# Allegro board RK_NVR_DEMO1_RK3588_LP4XD200P232SD8_V21_20211228_final_lint.brd (continued)
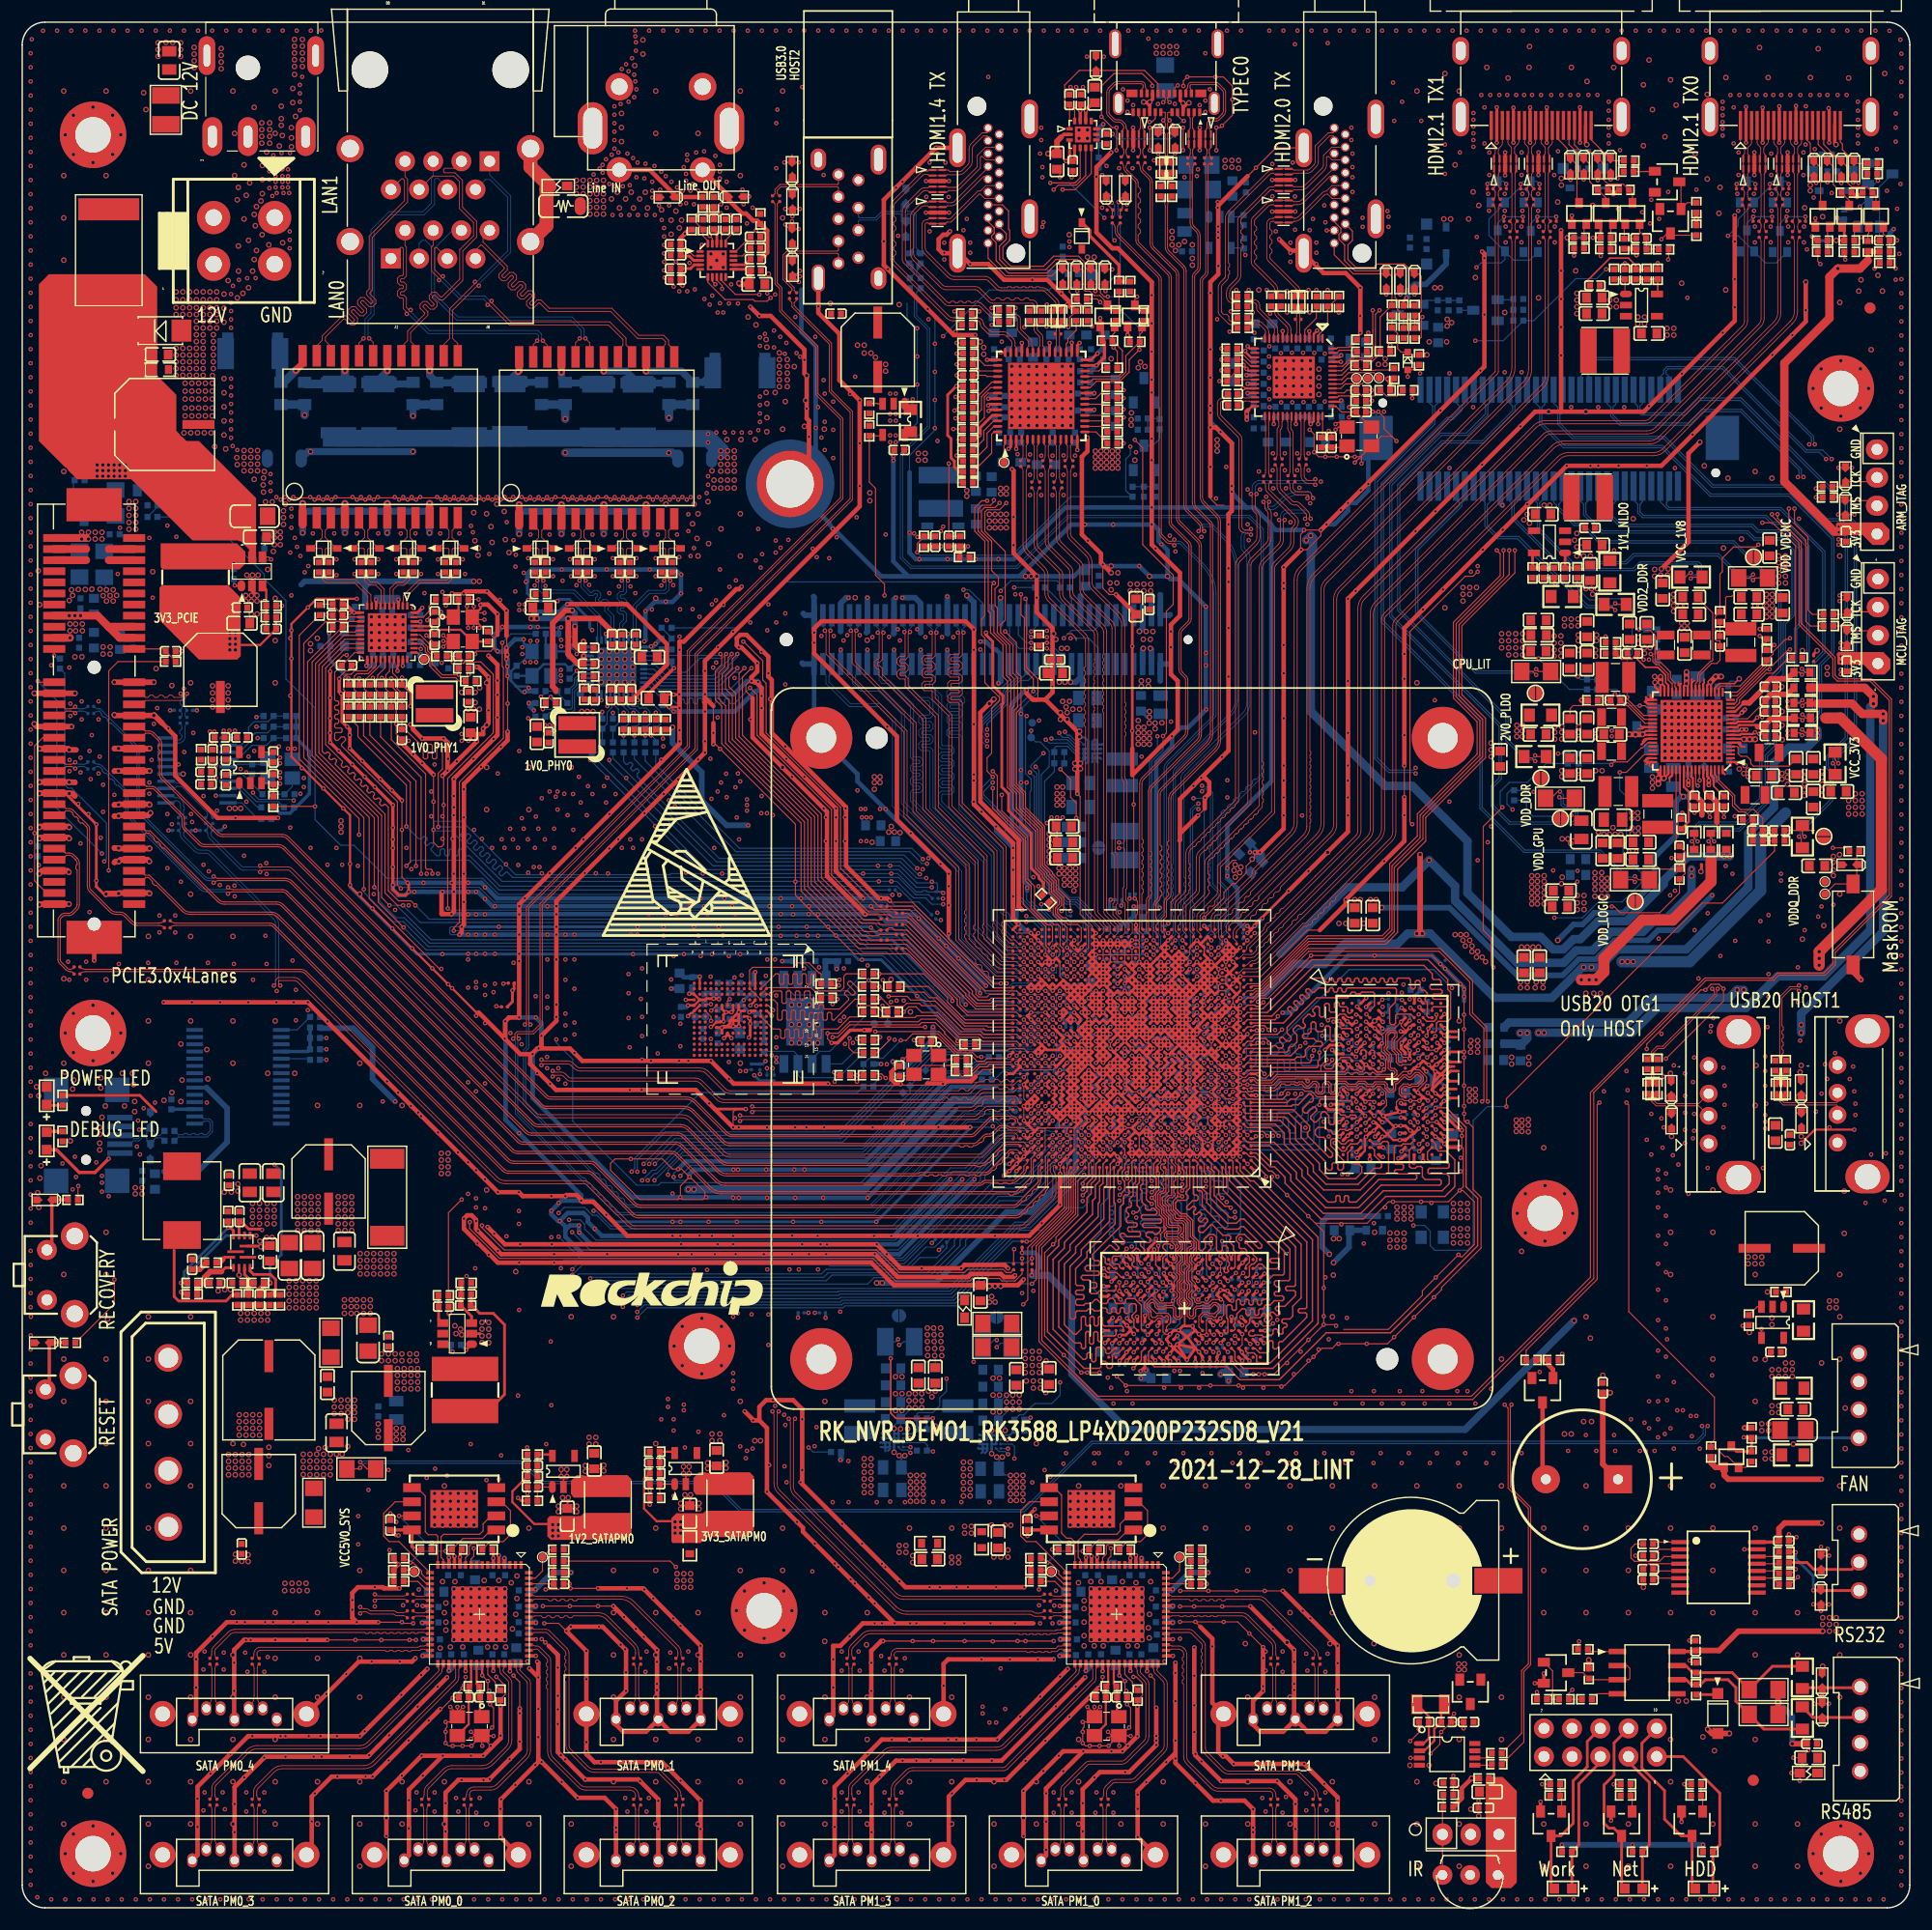
[diagram p0: board, top side]
## Nets (continued)
VCC5V_HDMI_TX2: C5102.1 D5100.2(K) J5100.18(+5V) R5120.2
VCC5V_HDMI_TX3: C5502.1 D5500.2(K) J5500.18(+5V) R5540.2
VCC12V_DCIN: C2000.1 C2001.1 C2007.1 C2009.1 C2010.1 C2027.1 C2028.1 C4702.1 C4703.1 C8429.1 C8430.1 C8432.1 C8433.1 D2000.2(K) F2000.2 Q8400.2(SOURCE) R2002.1 R2003.1 R2004.1 R8428.1 R9901.1 U2000.1(VIN) U2002.5(VIN) U4700.80(12V) U8402.5(VIN)
VCC12V_PCIE30: C8409.1 C8410.1 C8431.1 J8400.A2(+12V_4) J8400.A3(+12V_5) J8400.B1(+12V_1) J8400.B2(+12V_2) J8400.B3(+12V_3) Q8400.3(DRAIN)
VCC12VDC: F2000.1 J2000.1 J2001.3(12V_1) J2001.4(12V_2) R2000.1
VCC_1V1_NLDO: C2024.1 C2167.1 C2171.1 R2010.2 R2014.2 U2100.9(VCC14) U2100.13(VCC13)
VCC_1V1_NLDO_P: C2021.1 C2022.1 C2023.1 L2001.2 R2010.1 R2012.1
VCC_1V8: C1107.1 C1112.1 C1300.1 C1301.1 C1505.1 C1506.1 C1902.1 C1903.1 C2149.1 C3843.1 C4000.1 C4001.1 C4002.1 C4003.1 C4004.1 C4300.1 C4301.1 C4704.1 C4705.1 C7006.1 C7007.1 J9800.40(CH13-) R1500.1 R1501.1 R1913.1 R1914.1 R1915.1 R1916.1 R2130.1 R2137.1 R2138.1 R3803.2 R4000.1 R4001.1 R4002.1 R4300.1 R4301.1 R5000.1 R5005.1 R5014.1 R5017.1 R5135.1 R6730.1 R7002.1 U1000.AA7(VCCIO2_1V8) U1000.AC25(VCCIO6_1V8) U1000.G20(VCCIO1_1V8) U1000.H20(VCCIO4_1V8) U1000.H21(VCCIO4) U1000.N28(PMUIO1_1V8) U1000.R27(PMUIO2_1V8) U1000.V26(EMMCIO_1V8) U1000.W25(VCCIO5_1V8) U1000.Y26(VCCIO3_1V8) U4000.C6(VCCQ1) U4000.M4(VCCQ2) U4000.N4(VCCQ3) U4000.P3(VCCQ4) U4000.P5(VCCQ5) U4300.8(VCC) U4700.61(1.8V) U7000.3(PVDD)
VCC_1V8_P: C2150.1 C2151.1 J9800.38(CH13+) L2108.1 R2130.2 U2100.25(VOUT10)
VCC_2V0_PLDO: C2154.1 C2156.1 R2014.1 R2131.2 U2100.59(VCC11)
VCC_2V0_PLDO_P: C2152.1 C2153.1 L2109.2 R2131.1 U2100.41(VOUT7)
VCC_3V3: BP7000.1(BP) C1113.1 C1302.1 C1421.1 C1901.1 C1905.1 C2140.1 C2519.1 C4005.1 C4006.1 C4007.1 C4706.1 C4707.1 C5107.1 C5108.1 C5503.1 C5504.1 C7012.1 C9105.1 C9106.1 C9500.1 C9505.1 D2200.2(A2) D9502.1(A) J9101.4 J9102.4 J9800.11(CH2-) Q5000.1(GATE) Q5003.1(GATE) Q5100.2(SOURCE) Q5500.2(SOURCE) Q9501.1(GATE) R1111.1 R1112.1 R1115.1 R1116.1 R1117.1 R1118.1 R2127.1 R2204.1 R2500.2 R5002.1 R5006.1 R5009.1 R5012.1 R5018.1 R5021.1 R5025.1 R5026.1 R5126.1 R5545.1 R6733.1 R6830.1 R6833.1 R8211.1 R9000.1 R9002.1 R9003.1 R9004.1 R9005.1 R9102.1 R9500.1 R9904.1 U1000.AC26(VCCIO6) U1000.AJ10(USB20_AVDD_3V3) U1000.P28(PMUIO2) U1000.W26(VCCIO5) U1000.Y7(VCCIO2) U2503.3(VDD_3) U2503.4(VDD_4) U4000.E6(VCC1) U4000.F5(VCC2) U4000.J10(VCC3) U4000.K9(VCC4) U4700.62(3.3V) U9500.8(VCC) U9501.16(VCC)
VCC_3V3_P: C2141.1 C2142.1 J9800.9(CH2+) L2106.1 R2127.2 U2100.5(VOUT8)
VCC_OVDD33: C5109.1 C5112.1 C5113.1 FB5100.1 FB5101.1 Q5100.3(DRAIN) R5121.1 R5136.2 R5138.2 U5100.20(OVDD33_20) U5100.23(OVDD33_23) U5100.53(OVDD33_53)
VCC_OVDD33_6161: C5505.1 C5506.1 C5507.1 C5510.1 C5511.1 FB5500.1 Q5500.3(DRAIN) Q5501.1(GATE) Q5502.1(GATE) R5504.2 R5509.2 R5542.1 R5547.1 R5556.2 U5500.19(OVDD1833_19) U5500.27(OVDD33_27) U5500.50(OVDD1833_50)
VCC_RTC: C2228.1 D2200.3(K) U2203.8(VDD)
VCCA1V2_IMAGE: C1608.1 C1609.1 C2159.1 U1000.AH19(MIPI_D/C_PHY1_VDD_1V2) U2100.57(PLDO3)
VCCA1V8_IMAGE: C1602.1 C1603.1 C1610.1 C1611.1 C1713.1 C1714.1 C1715.1 C1729.1 C1730.1 C1731.1 J9800.30(CH9-) R2133.2 U1000.AA26(MIPI_CSI1_AVCC1V8) U1000.AB26(MIPI_CSI0_AVCC1V8) U1000.AC6(HDMI/EDP_TX0_VDD_CMN_1V8) U1000.AC7(HDMI/EDP_TX0_VDD_IO_1V8) U1000.AD6(HDMI/EDP_TX1_VDD_CMN_1V8) U1000.AD7(HDMI/EDP_TX1_VDD_IO_1V8) U1000.AJ19(MIPI_D/C_PHY1_VDD_1V8)
VCCA1V8_IMAGE_P: C2157.1 J9800.28(CH9+) R2133.1 U2100.58(PLDO2)
VCCA1V8_PLDO6: C2158.1 R3800.2 U2100.20(VCCIO)
VCCA3V3_PI6C_05: C8423.1 C8424.1 R8422.2 U8400.15(VDDODA)
VCCA_1V8: C1103.1 C1104.1 C1109.1 C1214.1 C1217.1 C1406.1 C1407.1 C1417.1 C1418.1 C1422.1 C1423.1 C1503.1 C1803.1 C1806.1 C1807.1 C1810.1 C1814.1 C1815.1 C1819.1 J9800.24(CH7-) R1502.1 R1503.1 R2132.2 R9300.1 U1000.AG11(USB20_AVDD_1V8) U1000.AG13(TYPEC1_DP1_VDDH_1V8) U1000.AG14(TYPEC0_DP0_VDDH_1V8) U1000.AH18(SARADC_AVDD_1V8) U1000.G23(PCIE30_PORT0_AVDD1V8) U1000.H23(PCIE30_PORT1_AVDD1V8) U1000.K16(DDR_CH1_PLL_AVDD1V8) U1000.K27(PCIE20_SATA30_USB30_2_AVDD_1V8) U1000.L27(PCIE20_SATA30_1_AVDD_1V8) U1000.M12(DDR_CH0_PLL_AVDD1V8) U1000.M27(PCIE20_SATA30_0_AVDD_1V8) U1000.N27(OSC_1V8) U1000.U18(PLL_AVDD1V8)
VCCA_1V8_P: C2155.1 J9800.22(CH7+) R2132.1 U2100.60(PLDO1)
VCCA_3V3: C7008.1 C7009.1 C7010.1 C7011.1 R2135.2 U7000.4(DVDD) U7000.11(AVDD)
VCCA_3V3_P: C2160.1 R2135.1 U2100.63(PLDO4)
VCCA_ASPVCC33: C5115.1 C5116.1 C5117.1 C5118.1 FB5101.2 U5100.24(RXPVCC33) U5100.39(RXAVDD33) U5100.40(ASPVCC33)
VCCA_PVCC33_6161: C5508.1 C5509.1 FB5500.2 U5500.30(PVCC33_30)
VCCA_TPVCC33: C5110.1 C5111.1 FB5100.2 U5100.3(TPVCC33)
VCCIO_PHY0: C6709.1 C6710.1 C6711.1 R6723.1 R6727.1 R6729.1 R6730.2 R6732.1 R6735.1 U6701.28(DVDD_RG)
VCCIO_PHY1: C6808.1 C6809.1 C6810.1 R6822.1 R6824.1 R6827.1 R6829.1 R6830.2 R6832.1 R6835.1 U6801.28(DVDD_RG)
VCCIO_SD_P: C2163.1 U2100.65(PLDO5)
VDD1_1V8_DDR: C3800.1 C3801.1 C3802.1 C3803.1 C3804.1 C3805.1 C3806.1 C3807.1 C3808.1 C3845.1 C3846.1 C3847.1 C3848.1 C3849.1 C3850.1 C3851.1 C3852.1 C3853.1 R3800.1 R3803.1 U3800.F1(VDD1_1) U3800.F12(VDD1_2) U3800.G4(VDD1_3) U3800.G9(VDD1_4) U3800.T4(VDD1_5) U3800.T9(VDD1_6) U3800.U1(VDD1_7) U3800.U12(VDD1_8) U3801.F1(VDD1_1) U3801.F12(VDD1_2) U3801.G4(VDD1_3) U3801.G9(VDD1_4) U3801.T4(VDD1_5) U3801.T9(VDD1_6) U3801.U1(VDD1_7) U3801.U12(VDD1_8)
VDD1V2_SATAPM0: C8243.1 C8244.1 C8245.1 C8246.1 C8247.1 C8248.1 C8249.1 C8250.1 C8251.1 C8252.1 C8253.1 C8254.1 L8201.2 R8216.1 R8312.1 U8200.4(DV12_1) U8200.14(DV12_2) U8200.23(AV12_5) U8200.29(AV12_4) U8200.35(AV12_3) U8200.46(AV12_0) U8200.52(AV12_2) U8200.58(AV12_1)
VDD1V2_SATAPM1: C8339.1 C8340.1 C8341.1 C8342.1 C8343.1 C8344.1 C8345.1 C8346.1 C8347.1 C8348.1 C8349.1 R8312.2 U8300.4(DV12_1) U8300.14(DV12_2) U8300.23(AV12_5) U8300.29(AV12_4) U8300.35(AV12_3) U8300.46(AV12_0) U8300.52(AV12_2) U8300.58(AV12_1)
VDD2_DDR: C2100.1 C3809.1 C3810.1 C3811.1 C3812.1 C3813.1 C3814.1 C3815.1 C3816.1 C3817.1 C3818.1 C3819.1 C3820.1 C3821.1 C3822.1 C3823.1 C3854.1 C3855.1 C3856.1 C3857.1 C3858.1 C3859.1 C3860.1 C3861.1 C3862.1 C3863.1 C3864.1 C3865.1 C3866.1 C3867.1 C3868.1 J9800.46(CH15-) R1205.2 R2102.1 R3806.1 R3807.2 R3811.2 R3816.1 R3817.2 U3800.A4(VDD2_1) U3800.A9(VDD2_2) U3800.AB4(VDD2_23) U3800.AB9(VDD2_24) U3800.F5(VDD2_3) U3800.F8(VDD2_4) U3800.H1(VDD2_5) U3800.H5(VDD2_6) U3800.H8(VDD2_7) U3800.H12(VDD2_8) U3800.K1(VDD2_9) U3800.K3(VDD2_10) U3800.K10(VDD2_11) U3800.K12(VDD2_12) U3800.N1(VDD2_13) U3800.N3(VDD2_14) U3800.N10(VDD2_15) U3800.N12(VDD2_16) U3800.R1(VDD2_17) U3800.R5(VDD2_18) U3800.R8(VDD2_19) U3800.R12(VDD2_20) U3800.U5(VDD2_21) U3800.U8(VDD2_22) U3801.A4(VDD2_1) U3801.A9(VDD2_2) U3801.AB4(VDD2_23) U3801.AB9(VDD2_24) U3801.F5(VDD2_3) U3801.F8(VDD2_4) U3801.H1(VDD2_5) U3801.H5(VDD2_6) U3801.H8(VDD2_7) U3801.H12(VDD2_8) U3801.K1(VDD2_9) U3801.K3(VDD2_10) U3801.K10(VDD2_11) U3801.K12(VDD2_12) U3801.N1(VDD2_13) U3801.N3(VDD2_14) U3801.N10(VDD2_15) U3801.N12(VDD2_16) U3801.R1(VDD2_17) U3801.R5(VDD2_18) U3801.R8(VDD2_19) U3801.R12(VDD2_20) U3801.U5(VDD2_21) U3801.U8(VDD2_22)
VDD2_DDR_CKE: C1216.1 C1219.1 R1205.1 U1000.H13(DDR_CH1_VDDQ_CKE) U1000.N8(DDR_CH0_VDDQ_CKE)
VDD2_DDR_P: C2101.1 C2106.1 C2107.1 J9800.44(CH15+) L2100.1 R2102.2 R2103.1 U2100.30(VOUT6)
VDD10_PHY0: C6715.1 C6716.1 C6717.1 C6721.1 C6722.1 C6723.1 L6700.2 U6701.3(AVDD10#3) U6701.8(AVDD10#8) U6701.21(DVDD10) U6701.38(AVDD10#38)
VDD10_PHY1: C6814.1 C6815.1 C6816.1 C6820.1 C6821.1 C6822.1 L6800.2 U6801.3(AVDD10#3) U6801.8(AVDD10#8) U6801.21(DVDD10) U6801.38(AVDD10#38)
VDD_ASPVCC10: C5127.1 C5128.1 C5129.1 C5130.1 C5131.1 C5132.1 C5133.1 FB5102.2 U5100.25(RXPVCC10) U5100.31(RXAVDD10_31) U5100.36(RXAVDD10_36) U5100.41(ASPVCC10)
VDD_AVCC12_6161: C5513.1 C5514.1 FB5501.2 U5500.34(AVCC12_34)
VDD_CPU_BIG0: C1010.1 C1013.1 C1014.1 C1015.1 C1016.1 C1017.1 C1018.1 C1019.1 C1022.1 C1023.1 C1080.1 C2204.2 C2209.1 J2200.2 J9800.17(CH4-) R2200.2 R2202.2 R2220.1 R2221.1 U1000.M16(VDD_CPU_BIG0_0) U1000.M17(VDD_CPU_BIG0_9) U1000.M19(VDD_CPU_BIG0_MEM_0) U1000.N16(VDD_CPU_BIG0_1) U1000.N17(VDD_CPU_BIG0_8) U1000.N19(VDD_CPU_BIG0_MEM_1) U1000.P16(VDD_CPU_BIG0_2) U1000.P17(VDD_CPU_BIG0_7) U1000.R16(VDD_CPU_BIG0_3) U1000.R17(VDD_CPU_BIG0_6) U1000.T16(VDD_CPU_BIG0_4) U1000.T17(VDD_CPU_BIG0_5) U2200.A4(VOUT)
VDD_CPU_BIG0_P: C2204.1 C2205.1 C2206.1 C2207.1 C2208.1 J2200.1 J9800.15(CH4+) L2200.2 R2200.1 R2202.1
VDD_CPU_BIG1: C1024.1 C1025.1 C1027.1 C1028.1 C1029.1 C1030.1 C1031.1 C1032.1 C1033.1 C1081.1 C2210.2 C2215.1 FB2201.1 J2202.2 J9800.23(CH6-) R2201.2 R2203.2 R2220.2 R2221.2 U1000.K23(VDD_CPU_BIG1_9) U1000.K24(VDD_CPU_BIG1_0) U1000.L23(VDD_CPU_BIG1_8) U1000.L24(VDD_CPU_BIG1_1) U1000.M23(VDD_CPU_BIG1_7) U1000.M24(VDD_CPU_BIG1_2) U1000.N23(VDD_CPU_BIG1_6) U1000.N24(VDD_CPU_BIG1_3) U1000.P23(VDD_CPU_BIG1_5) U1000.P24(VDD_CPU_BIG1_4) U2201.A4(VOUT)
VDD_CPU_BIG1_MEM: C1051.1 C1083.1 C2230.1 FB2201.2 U1000.M21(VDD_CPU_BIG1_MEM_0) U1000.N21(VDD_CPU_BIG1_MEM_1)
VDD_CPU_BIG1_P: C2210.1 C2211.1 C2212.1 C2213.1 C2214.1 J2202.1 J9800.21(CH6+) L2201.2 R2201.1 R2203.1
VDD_CPU_LIT: C1054.1 C1057.1 C1058.1 C1059.1 C1060.1 C1061.1 C1070.1 C1071.1 C1082.1 C2119.2 C2122.1 C2123.1 J2103.2 J9800.52(CH17-) R2112.2 R2114.2 U1000.T21(VDD_CPU_LIT_MEM_1) U1000.T22(VDD_CPU_LIT_MEM_0) U1000.U21(VDD_CPU_LIT_7) U1000.U22(VDD_CPU_LIT_0) U1000.V21(VDD_CPU_LIT_6) U1000.V22(VDD_CPU_LIT_1) U1000.W21(VDD_CPU_LIT_5) U1000.W22(VDD_CPU_LIT_2) U1000.Y21(VDD_CPU_LIT_4) U1000.Y22(VDD_CPU_LIT_3) U2100.37(VOUT2)
VDD_CPU_LIT_P: C2119.1 C2120.1 C2121.1 J2103.1 J9800.50(CH17+) L2103.2 R2112.1 R2114.1
VDD_DDR: C1220.1 C1221.1 C1223.1 C1224.1 C1225.1 C1226.1 C1227.1 C1228.1 C1229.1 C1231.1 C2115.1 C2118.2 J2100.1 J9800.39(CH12-) R2111.1 R2113.2 U1000.L11(DDR_CH1_VDD_0) U1000.L12(DDR_CH1_VDD_1) U1000.L13(DDR_CH1_VDD_2) U1000.L14(DDR_CH1_VDD_3) U1000.L17(DDR_CH1_VDD_MIF_0) U1000.L18(DDR_CH1_VDD_MIF_1) U1000.N13(DDR_CH0_VDD_MIF_0) U1000.P12(DDR_CH0_VDD_3) U1000.P13(DDR_CH0_VDD_MIF_1) U1000.R12(DDR_CH0_VDD_2) U1000.T12(DDR_CH0_VDD_1) U1000.U11(DDR_CH0_VDD_0) U2100.46(VOUT5)
VDD_DDR_P: C2116.1 C2117.1 C2118.1 J2100.2 J9800.37(CH12+) L2102.1 R2111.2 R2113.1
VDD_GPU: C1000.1 C1001.1 C1002.1 C1003.1 C1004.1 C1005.1 C1006.1 C1007.1 C1020.1 C1085.1 C2102.1 C2108.2 C2111.1 J2102.2 J9800.45(CH14-) R2100.2 R2104.2 U1000.AA12(VDD_GPU_MEM_0) U1000.AA13(VDD_GPU_0) U1000.AA14(VDD_GPU_7) U1000.AA15(VDD_GPU_11) U1000.AB12(VDD_GPU_MEM_1) U1000.AB13(VDD_GPU_1) U1000.AB14(VDD_GPU_6) U1000.AB15(VDD_GPU_10) U1000.AC13(VDD_GPU_2) U1000.AC14(VDD_GPU_5) U1000.AC15(VDD_GPU_9) U1000.AD13(VDD_GPU_3) U1000.AD14(VDD_GPU_4) U1000.AD15(VDD_GPU_8) U2100.49(VOUT1)
VDD_GPU_P: C2108.1 C2109.1 C2110.1 J2102.1 J9800.43(CH14+) L2101.2 R2100.1 R2104.1
VDD_IVDD10: C5120.1 C5121.1 C5122.1 C5123.1 C5124.1 C5125.1 C5126.1 C5135.1 C5136.1 C5137.1 C5138.1 FB5102.1 FB5103.1 L5101.2 R5132.1 U5100.15(TDVDD10) U5100.17(IVDD10_17) U5100.21(IVDD10_21) U5100.28(RXDVDD10) U5100.44(IVDD10) U5100.54(IVDD10_54)
VDD_IVDD12_6161: C5515.1 C5521.1 C5522.1 C5523.1 C5524.1 C5525.1 C5526.1 C5527.1 FB5501.1 FB5502.1 FB5503.1 FB5504.1 FB5505.1 L5501.2 R5553.1 U5500.22(IVDD12_22) U5500.28(IVDD12_28) U5500.42(IVDD12_42) U5500.43(IVDD12_43) U5500.51(IVDD12_51) U5500.52(IVDD12_52)
VDD_LOGIC: C1034.1 C1035.1 C1036.1 C1037.1 C1038.1 C1039.1 C1040.1 C1041.1 C1042.1 C2132.2 C2135.1 C2136.1 J2104.2 J9800.51(CH16-) R2122.2 R2124.2 U1000.AC17(VDD_LOGIC_5) U1000.AC18(VDD_LOGIC_4) U1000.AC19(VDD_LOGIC_3) U1000.AD17(VDD_LOGIC_0) U1000.AD18(VDD_LOGIC_1) U1000.AD19(VDD_LOGIC_2) U1000.K19(VDD_LOGIC_8) U1000.K20(VDD_LOGIC_9) U1000.V16(VDD_LOGIC_6) U1000.V17(VDD_LOGIC_7) U2100.56(VOUT3)
VDD_LOGIC_P: C2132.1 C2133.1 C2134.1 J2104.1 J9800.49(CH16+) L2105.2 R2122.1 R2124.1
VDD_NPU: C1062.1 C1063.1 C1064.1 C1065.1 C1066.1 C1069.1 C1072.1 C1073.1 C1086.1 C2220.2 C2225.1 J2203.2 J9800.57(CH18-) R2206.2 R2207.2 U1000.AB21(VDD_NPU_6) U1000.AB22(VDD_NPU_5) U1000.AB23(VDD_NPU_2) U1000.AC22(VDD_NPU_4) U1000.AC23(VDD_NPU_1) U1000.AD22(VDD_NPU_3) U1000.AD23(VDD_NPU_0) U1000.AE22(VDD_NPU_MEM_0) U1000.AE23(VDD_NPU_MEM_1) U2202.A4(VOUT)
VDD_NPU_P: C2220.1 C2221.1 C2222.1 C2223.1 C2224.1 J2203.1 J9800.55(CH18+) L2202.2 R2206.1 R2207.1
VDD_NVDD12_6161: C5528.1 C5529.1 C5530.1 FB5504.2 U5500.3(NVDD12_3) U5500.14(NVDD12_14)
VDD_PVCC12_6161: C5516.1 C5517.1 FB5502.2 U5500.29(PVCC12_29)
VDD_RDVDD12_6161: C5532.1 C5533.1 FB5505.2 U5500.2(RDVDD12)
VDD_TAVCC10: C5139.1 C5140.1 C5141.1 C5142.1 FB5103.2 U5100.4(TPVCC10) U5100.10(TAVCC10)
VDD_TDVDD12_6161: C5518.1 C5519.1 FB5503.2 U5500.39(TDVDD12_39)
VDD_VDENC: C1043.1 C1045.1 C1046.1 C1047.1 C1048.1 C1049.1 C1050.1 C1052.1 C2143.2 C2146.1 C2173.1 J2105.2 J9800.34(CH11-) R2128.2 R2129.2 U1000.R14(VDD_VDENC_0) U1000.T14(VDD_VDENC_1) U1000.U14(VDD_VDENC_2) U1000.V12(VDD_VDENC_MEM_0) U1000.V13(VDD_VDENC_MEM_1) U1000.V14(VDD_VDENC_3) U1000.W13(VDD_VDENC_5) U1000.W14(VDD_VDENC_4) U2100.24(VOUT4)
VDD_VDENC_P: C2143.1 C2144.1 C2145.1 J2105.1 J9800.32(CH11+) L2107.2 R2128.1 R2129.1
VDDA0V75_IMAGE: C1709.1 C1710.1 C1711.1 C1724.1 C1725.1 C1726.1 C1727.1 J9800.18(CH5-) R2142.2 U1000.AA9(HDMI/EDP_TX0_VDD_0V75) U1000.AB9(HDMI/EDP_TX0_AVDD_0V75) U1000.AC9(HDMI/EDP_TX1_AVDD_0V75) U1000.AD9(HDMI/EDP_TX1_VDD_0V75)
VDDA0V75_IMAGE_P: C2169.1 J9800.16(CH5+) R2142.1 U2100.11(NLDO3)
VDDA_0V75: C1412.1 C1504.1 C1600.1 C1601.1 C1604.1 C1606.1 C1607.1 C1804.1 C1805.1 C1812.1 C1813.1 J9800.33(CH10-) R2144.2 U1000.AA25(MIPI_CSI1_AVCC0V75) U1000.AB25(MIPI_CSI0_AVCC0V75) U1000.AD3(OTP_VDDOTP_0V75) U1000.AG19(MIPI_D/C_PHY1_VDD) U1000.AH10(USB20_DVDD_0V75) U1000.G24(PCIE30_PORT0_AVDD0V75) U1000.H24(PCIE30_PORT1_AVDD0V75)
VDDA_0V75_P: C2172.1 J9800.31(CH10+) R2144.1 U2100.8(NLDO5)
VDDA_0V75_PMU: C1105.1 C1106.1 C1110.1 C1111.1 J9800.12(CH3-) R2139.2 U1000.P27(PMU_0V75) U1000.V20(PLL_DVDD0V75)
VDDA_0V75_PMU_P: C2164.1 J9800.10(CH3+) R2139.1 U2100.14(NLDO1)
VDDA_0V85: C1404.1 C1405.1 C1419.1 C1420.1 C1801.1 C1808.1 C1816.1 J9800.6(CH1-) R2143.2 U1000.AH13(TYPEC1_DP1_VDD_0V85) U1000.AH14(TYPEC0_DP0_VDDA_0V85) U1000.AJ13(TYPEC1_DP1_VDDA_0V85) U1000.AJ14(TYPEC0_DP0_VDD_0V85) U1000.K28(PCIE20_SATA30_USB30_2_AVDD_0V85) U1000.L28(PCIE20_SATA30_1_AVDD_0V85) U1000.M28(PCIE20_SATA30_0_AVDD_0V85)
VDDA_0V85_P: C2170.1 J9800.4(CH1+) R2143.1 U2100.10(NLDO4)
VDDA_DDR_PLL: C1215.1 C1218.1 R2141.2 U1000.L15(DDR_CH1_PLL_DVDD) U1000.N12(DDR_CH0_PLL_DVDD)
VDDA_DDR_PLL_P: C2168.1 R2141.1 U2100.12(NLDO2)
VDDQ_DDR: C1200.1 C1201.1 C1202.1 C1203.1 C1204.1 C1205.1 C1207.1 C1208.1 C1209.1 C1210.1 C1211.1 C1212.1 C2128.1 C2131.2 C2137.1 J2101.1 J9800.29(CH8-) R1200.1 R1201.2 R1202.1 R1203.2 R1204.2 R2121.1 R2123.2 R2125.1 R3808.2 U1000.K11(DDR_CH1_VDDQ_0) U1000.K12(DDR_CH1_VDDQ_1) U1000.K13(DDR_CH1_VDDQ_2) U1000.K14(DDR_CH1_VDDQ_3) U1000.K15(DDR_CH1_VDDQ_4) U1000.M10(DDR_CH0_VDDQ_0) U1000.N10(DDR_CH0_VDDQ_1) U1000.P10(DDR_CH0_VDDQ_2) U1000.R10(DDR_CH0_VDDQ_3) U1000.T10(DDR_CH0_VDDQ_4) U2100.67(VOUT9)
VDDQ_DDR_CK: C1206.1 C1213.1 C1232.1 R1204.1 U1000.L10(DDR_CH0_VDDQ_CK) U1000.M13(DDR_CH1_VDDQ_CK)
VDDQ_DDR_P: C2129.1 C2130.1 C2131.1 J2101.2 J9800.27(CH8+) L2104.1 R2121.2 R2123.1
VDDQ_DRAM: C3824.1 C3825.1 C3826.1 C3827.1 C3828.1 C3829.1 C3830.1 C3831.1 C3832.1 C3833.1 C3834.1 C3835.1 C3836.1 C3837.1 C3838.1 C3839.1 C3840.1 C3841.1 C3842.1 C3869.1 C3870.1 C3871.1 C3872.1 C3873.1 C3874.1 C3875.1 C3876.1 C3877.1 C3878.1 C3879.1 C3880.1 C3881.1 C3882.1 C3883.1 C3884.1 C3885.1 C3886.1 C3887.1 R3808.1 R3809.1 R3810.1 R3811.1 R3818.1 R3819.1 U3800.AA3(VDDQ_17) U3800.AA5(VDDQ_18) U3800.AA8(VDDQ_19) U3800.AA10(VDDQ_20) U3800.B3(VDDQ_1) U3800.B5(VDDQ_2) U3800.B8(VDDQ_3) U3800.B10(VDDQ_4) U3800.D1(VDDQ_5) U3800.D5(VDDQ_6) U3800.D8(VDDQ_7) U3800.D12(VDDQ_8) U3800.F3(VDDQ_9) U3800.F10(VDDQ_10) U3800.U3(VDDQ_11) U3800.U10(VDDQ_12) U3800.W1(VDDQ_13) U3800.W5(VDDQ_14) U3800.W8(VDDQ_15) U3800.W12(VDDQ_16) U3801.AA3(VDDQ_17) U3801.AA5(VDDQ_18) U3801.AA8(VDDQ_19) U3801.AA10(VDDQ_20) U3801.B3(VDDQ_1) U3801.B5(VDDQ_2) U3801.B8(VDDQ_3) U3801.B10(VDDQ_4) U3801.D1(VDDQ_5) U3801.D5(VDDQ_6) U3801.D8(VDDQ_7) U3801.D12(VDDQ_8) U3801.F3(VDDQ_9) U3801.F10(VDDQ_10) U3801.U3(VDDQ_11) U3801.U10(VDDQ_12) U3801.W1(VDDQ_13) U3801.W5(VDDQ_14) U3801.W8(VDDQ_15) U3801.W12(VDDQ_16)
BIG/NPU_EN: R2204.2 R2205.1 U2200.A2(EN) U2201.A2(EN) U2202.A2(EN)
BOOT_CONFIG: C1500.1 R1503.2 R1510.1 R1514.1 U1000.AM16(SARADC_IN0_BOOT)
CKDN: R5525.2 U5500.8(CKDN)
CKDP: R5526.2 U5500.9(CKDP)
DDR_CH0_A0_A: U1000.T7(DDR_CH0_A0_A) U3800.H2(CA0_A)
DDR_CH0_A0_B: U1000.M8(DDR_CH0_A0_B) U3800.R2(CA0_B)
DDR_CH0_A1_A: U1000.T8(DDR_CH0_A1_A) U3800.J2(CA1_A)
DDR_CH0_A1_B: U1000.M5(DDR_CH0_A1_B) U3800.P2(CA1_B)
DDR_CH0_A2_A: U1000.P4(DDR_CH0_A2_A) U3800.H9(CA2_A)
DDR_CH0_A2_B: U1000.N5(DDR_CH0_A2_B) U3800.R9(CA2_B)
DDR_CH0_A3_A: U1000.P5(DDR_CH0_A3_A) U3800.H10(CA3_A)
DDR_CH0_A3_B: U1000.N4(DDR_CH0_A3_B) U3800.R10(CA3_B)
DDR_CH0_A4_A: U1000.R1(DDR_CH0_A4_A) U3800.H11(CA4_A)
DDR_CH0_A4_B: U1000.K1(DDR_CH0_A4_B) U3800.R11(CA4_B)
DDR_CH0_A5_A: U1000.P2(DDR_CH0_A5_A) U3800.J11(CA5_A)
DDR_CH0_A5_B: U1000.L2(DDR_CH0_A5_B) U3800.P11(CA5_B)
DDR_CH0_CLKN_A: U1000.N1(DDR_CH0_CKB_A) U3800.J9(CK_C_A)
DDR_CH0_CLKN_B: U1000.M1(DDR_CH0_CKB_B) U3800.P9(CK_C_B)
DDR_CH0_CLKP_A: U1000.N2(DDR_CH0_CK_A) U3800.J8(CK_T_A)
DDR_CH0_CLKP_B: U1000.M2(DDR_CH0_CK_B) U3800.P8(CK_T_B)
DDR_CH0_DM0_A: U1000.Y4(DDR_CH0_DM0_A) U3800.C3(DMI0_A)
DDR_CH0_DM0_B: U1000.G4(DDR_CH0_DM0_B) U3800.Y3(DMI0_B)
DDR_CH0_DM1_A: U1000.AB4(DDR_CH0_DM1_A) U3800.C10(DMI1_A)
DDR_CH0_DM1_B: U1000.E4(DDR_CH0_DM1_B) U3800.Y10(DMI1_B)
DDR_CH0_DQ0_A: U1000.U1(DDR_CH0_DQ0_A) U3800.B2(DQ0_A)
DDR_CH0_DQ0_B: U1000.H1(DDR_CH0_DQ0_B) U3800.AA2(DQ0_B)
DDR_CH0_DQ1_A: U1000.T2(DDR_CH0_DQ1_A) U3800.C2(DQ1_A)
DDR_CH0_DQ1_B: U1000.J2(DDR_CH0_DQ1_B) U3800.Y2(DQ1_B)
DDR_CH0_DQ2_A: U1000.T1(DDR_CH0_DQ2_A) U3800.E2(DQ2_A)
DDR_CH0_DQ2_B: U1000.J1(DDR_CH0_DQ2_B) U3800.V2(DQ2_B)
DDR_CH0_DQ3_A: U1000.R2(DDR_CH0_DQ3_A) U3800.F2(DQ3_A)
DDR_CH0_DQ3_B: U1000.K2(DDR_CH0_DQ3_B) U3800.U2(DQ3_B)
DDR_CH0_DQ4_A: U1000.W1(DDR_CH0_DQ4_A) U3800.F4(DQ4_A)
DDR_CH0_DQ4_B: U1000.F1(DDR_CH0_DQ4_B) U3800.U4(DQ4_B)
DDR_CH0_DQ5_A: U1000.V2(DDR_CH0_DQ5_A) U3800.E4(DQ5_A)
DDR_CH0_DQ5_B: U1000.G2(DDR_CH0_DQ5_B) U3800.V4(DQ5_B)
DDR_CH0_DQ6_A: U1000.V1(DDR_CH0_DQ6_A) U3800.C4(DQ6_A)
DDR_CH0_DQ6_B: U1000.G1(DDR_CH0_DQ6_B) U3800.Y4(DQ6_B)
DDR_CH0_DQ7_A: U1000.U2(DDR_CH0_DQ7_A) U3800.B4(DQ7_A)
DDR_CH0_DQ7_B: U1000.H2(DDR_CH0_DQ7_B) U3800.AA4(DQ7_B)
DDR_CH0_DQ8_A: U1000.AB2(DDR_CH0_DQ8_A) U3800.B11(DQ8_A)
DDR_CH0_DQ8_B: U1000.D2(DDR_CH0_DQ8_B) U3800.AA11(DQ8_B)
DDR_CH0_DQ9_A: U1000.AB1(DDR_CH0_DQ9_A) U3800.C11(DQ9_A)
DDR_CH0_DQ9_B: U1000.C1(DDR_CH0_DQ9_B) U3800.Y11(DQ9_B)
DDR_CH0_DQ10_A: U1000.AC1(DDR_CH0_DQ10_A) U3800.E11(DQ10_A)
DDR_CH0_DQ10_B: U1000.C2(DDR_CH0_DQ10_B) U3800.V11(DQ10_B)
DDR_CH0_DQ11_A: U1000.AC2(DDR_CH0_DQ11_A) U3800.F11(DQ11_A)
DDR_CH0_DQ11_B: U1000.B1(DDR_CH0_DQ11_B) U3800.U11(DQ11_B)
DDR_CH0_DQ12_A: U1000.Y1(DDR_CH0_DQ12_A) U3800.F9(DQ12_A)
DDR_CH0_DQ12_B: U1000.F2(DDR_CH0_DQ12_B) U3800.U9(DQ12_B)
DDR_CH0_DQ13_A: U1000.Y2(DDR_CH0_DQ13_A) U3800.E9(DQ13_A)
DDR_CH0_DQ13_B: U1000.E1(DDR_CH0_DQ13_B) U3800.V9(DQ13_B)
DDR_CH0_DQ14_A: U1000.AA1(DDR_CH0_DQ14_A) U3800.C9(DQ14_A)
DDR_CH0_DQ14_B: U1000.E2(DDR_CH0_DQ14_B) U3800.Y9(DQ14_B)
DDR_CH0_DQ15_A: U1000.AA2(DDR_CH0_DQ15_A) U3800.B9(DQ15_A)
DDR_CH0_DQ15_B: U1000.D1(DDR_CH0_DQ15_B) U3800.AA9(DQ15_B)
DDR_CH0_DQS0N_A: U1000.U4(DDR_CH0_DQS0N_A) U3800.E3(DQS0_C_A)
DDR_CH0_DQS0N_B: U1000.J7(DDR_CH0_DQS0N_B) U3800.V3(DQS0_C_B)
DDR_CH0_DQS0P_A: U1000.U5(DDR_CH0_DQS0P_A) U3800.D3(DQS0_T_A)
DDR_CH0_DQS0P_B: U1000.J8(DDR_CH0_DQS0P_B) U3800.W3(DQS0_T_B)
DDR_CH0_DQS1N_A: U1000.AA4(DDR_CH0_DQS1N_A) U3800.E10(DQS1_C_A)
DDR_CH0_DQS1N_B: U1000.F4(DDR_CH0_DQS1N_B) U3800.V10(DQS1_C_B)
DDR_CH0_DQS1P_A: U1000.AA5(DDR_CH0_DQS1P_A) U3800.D10(DQS1_T_A)
DDR_CH0_DQS1P_B: U1000.F5(DDR_CH0_DQS1P_B) U3800.W10(DQS1_T_B)
DDR_CH0_LP4/4X_CKE0/LP5_CS0_A: R3801.1 U1000.P7(DDR_CH0_LP4/4X_CKE0/LP5_CS0_A)
DDR_CH0_LP4/4X_CKE0/LP5_CS0_B: R3804.1 U1000.L5(DDR_CH0_LP4/4X_CKE0/LP5_CS0_B)
DDR_CH0_LP4/4X_CKE0_A: R3801.2 U3800.J4(CKE0_A)
DDR_CH0_LP4/4X_CKE0_B: R3804.2 U3800.P4(CKE0_B)
DDR_CH0_LP4/4X_CKE1/LP5_CS1_A: R3802.1 U1000.N7(DDR_CH0_LP4/4X_CKE1/LP5_CS1_A)
DDR_CH0_LP4/4X_CKE1/LP5_CS1_B: R3805.1 U1000.L4(DDR_CH0_LP4/4X_CKE1/LP5_CS1_B)
DDR_CH0_LP4/4X_CKE1_A: R3802.2 U3800.J5(CKE1_A)
DDR_CH0_LP4/4X_CKE1_B: R3805.2 U3800.P5(CKE1_B)
DDR_CH0_LP4/4X_CS0_A: U1000.R6(DDR_CH0_LP4/4X_CS0_A) U3800.H4(CS0_A)
DDR_CH0_LP4/4X_CS0_B: U1000.L7(DDR_CH0_LP4/4X_CS0_B) U3800.R4(CS0_B)
DDR_CH0_LP4/4X_CS1_A: U1000.R7(DDR_CH0_LP4/4X_CS1_A) U3800.H3(CS1_A)
DDR_CH0_LP4/4X_CS1_B: U1000.L8(DDR_CH0_LP4/4X_CS1_B) U3800.R3(CS1_B)
DDR_CH1_A0_C: U1000.G12(DDR_CH1_A0_C) U3801.H2(CA0_A)
DDR_CH1_A0_D: U1000.H15(DDR_CH1_A0_D) U3801.R2(CA0_B)
DDR_CH1_A1_C: U1000.F12(DDR_CH1_A1_C) U3801.J2(CA1_A)
DDR_CH1_A1_D: U1000.G14(DDR_CH1_A1_D) U3801.P2(CA1_B)
DDR_CH1_A2_C: U1000.E13(DDR_CH1_A2_C) U3801.H9(CA2_A)
DDR_CH1_A2_D: U1000.G13(DDR_CH1_A2_D) U3801.R9(CA2_B)
DDR_CH1_A3_C: U1000.D13(DDR_CH1_A3_C) U3801.H10(CA3_A)
DDR_CH1_A3_D: U1000.E14(DDR_CH1_A3_D) U3801.R10(CA3_B)
DDR_CH1_A4_C: U1000.A10(DDR_CH1_A4_C) U3801.H11(CA4_A)
DDR_CH1_A4_D: U1000.A15(DDR_CH1_A4_D) U3801.R11(CA4_B)
DDR_CH1_A5_C: U1000.B11(DDR_CH1_A5_C) U3801.J11(CA5_A)
DDR_CH1_A5_D: U1000.B14(DDR_CH1_A5_D) U3801.P11(CA5_B)
DDR_CH1_CLKN_C: U1000.A12(DDR_CH1_CKB_C) U3801.J9(CK_C_A)
DDR_CH1_CLKN_D: U1000.A13(DDR_CH1_CKB_D) U3801.P9(CK_C_B)
DDR_CH1_CLKP_C: U1000.B12(DDR_CH1_CK_C) U3801.J8(CK_T_A)
DDR_CH1_CLKP_D: U1000.B13(DDR_CH1_CK_D) U3801.P8(CK_T_B)
DDR_CH1_DM0_C: U1000.F8(DDR_CH1_DM0_C) U3801.C3(DMI0_A)
DDR_CH1_DM0_D: U1000.D20(DDR_CH1_DM0_D) U3801.Y3(DMI0_B)
DDR_CH1_DM1_C: U1000.D4(DDR_CH1_DM1_C) U3801.C10(DMI1_A)
DDR_CH1_DM1_D: U1000.D22(DDR_CH1_DM1_D) U3801.Y10(DMI1_B)
DDR_CH1_DQ0_C: U1000.A8(DDR_CH1_DQ0_C) U3801.B2(DQ0_A)
DDR_CH1_DQ0_D: U1000.A17(DDR_CH1_DQ0_D) U3801.AA2(DQ0_B)
DDR_CH1_DQ1_C: U1000.B9(DDR_CH1_DQ1_C) U3801.C2(DQ1_A)
DDR_CH1_DQ1_D: U1000.B16(DDR_CH1_DQ1_D) U3801.Y2(DQ1_B)
DDR_CH1_DQ2_C: U1000.A9(DDR_CH1_DQ2_C) U3801.E2(DQ2_A)
DDR_CH1_DQ2_D: U1000.A16(DDR_CH1_DQ2_D) U3801.V2(DQ2_B)
DDR_CH1_DQ3_C: U1000.B10(DDR_CH1_DQ3_C) U3801.F2(DQ3_A)
DDR_CH1_DQ3_D: U1000.B15(DDR_CH1_DQ3_D) U3801.U2(DQ3_B)
DDR_CH1_DQ4_C: U1000.A6(DDR_CH1_DQ4_C) U3801.F4(DQ4_A)
DDR_CH1_DQ4_D: U1000.A19(DDR_CH1_DQ4_D) U3801.U4(DQ4_B)
DDR_CH1_DQ5_C: U1000.B7(DDR_CH1_DQ5_C) U3801.E4(DQ5_A)
DDR_CH1_DQ5_D: U1000.B18(DDR_CH1_DQ5_D) U3801.V4(DQ5_B)
DDR_CH1_DQ6_C: U1000.A7(DDR_CH1_DQ6_C) U3801.C4(DQ6_A)
DDR_CH1_DQ6_D: U1000.A18(DDR_CH1_DQ6_D) U3801.Y4(DQ6_B)
DDR_CH1_DQ7_C: U1000.B8(DDR_CH1_DQ7_C) U3801.B4(DQ7_A)
DDR_CH1_DQ7_D: U1000.B17(DDR_CH1_DQ7_D) U3801.AA4(DQ7_B)
DDR_CH1_DQ8_C: U1000.A3(DDR_CH1_DQ8_C) U3801.B11(DQ8_A)
DDR_CH1_DQ8_D: U1000.A22(DDR_CH1_DQ8_D) U3801.AA11(DQ8_B)
DDR_CH1_DQ9_C: U1000.B3(DDR_CH1_DQ9_C) U3801.C11(DQ9_A)
DDR_CH1_DQ9_D: U1000.B22(DDR_CH1_DQ9_D) U3801.Y11(DQ9_B)
DDR_CH1_DQ10_C: U1000.A2(DDR_CH1_DQ10_C) U3801.E11(DQ10_A)
DDR_CH1_DQ10_D: U1000.A23(DDR_CH1_DQ10_D) U3801.V11(DQ10_B)
DDR_CH1_DQ11_C: U1000.B2(DDR_CH1_DQ11_C) U3801.F11(DQ11_A)
DDR_CH1_DQ11_D: U1000.B23(DDR_CH1_DQ11_D) U3801.U11(DQ11_B)
DDR_CH1_DQ12_C: U1000.A5(DDR_CH1_DQ12_C) U3801.F9(DQ12_A)
DDR_CH1_DQ12_D: U1000.A20(DDR_CH1_DQ12_D) U3801.U9(DQ12_B)
DDR_CH1_DQ13_C: U1000.B5(DDR_CH1_DQ13_C) U3801.E9(DQ13_A)
DDR_CH1_DQ13_D: U1000.B20(DDR_CH1_DQ13_D) U3801.V9(DQ13_B)
DDR_CH1_DQ14_C: U1000.A4(DDR_CH1_DQ14_C) U3801.C9(DQ14_A)
DDR_CH1_DQ14_D: U1000.A21(DDR_CH1_DQ14_D) U3801.Y9(DQ14_B)
DDR_CH1_DQ15_C: U1000.B4(DDR_CH1_DQ15_C) U3801.B9(DQ15_A)
DDR_CH1_DQ15_D: U1000.B21(DDR_CH1_DQ15_D) U3801.AA9(DQ15_B)
DDR_CH1_DQS0N_C: U1000.D9(DDR_CH1_DQS0N_C) U3801.E3(DQS0_C_A)
DDR_CH1_DQS0N_D: U1000.G16(DDR_CH1_DQS0N_D) U3801.V3(DQS0_C_B)
DDR_CH1_DQS0P_C: U1000.E9(DDR_CH1_DQS0P_C) U3801.D3(DQS0_T_A)
DDR_CH1_DQS0P_D: U1000.H16(DDR_CH1_DQS0P_D) U3801.W3(DQS0_T_B)
DDR_CH1_DQS1N_C: U1000.D5(DDR_CH1_DQS1N_C) U3801.E10(DQS1_C_A)
DDR_CH1_DQS1N_D: U1000.E21(DDR_CH1_DQS1N_D) U3801.V10(DQS1_C_B)
DDR_CH1_DQS1P_C: U1000.E5(DDR_CH1_DQS1P_C) U3801.D10(DQS1_T_A)
DDR_CH1_DQS1P_D: U1000.D21(DDR_CH1_DQS1P_D) U3801.W10(DQS1_T_B)
DDR_CH1_LP4/4X_CKE0/LP5_CS0_C: R3812.1 U1000.D11(DDR_CH1_LP4/4X_CKE0/LP5_CS0_C)
DDR_CH1_LP4/4X_CKE0/LP5_CS0_D: R3814.1 U1000.D16(DDR_CH1_LP4/4X_CKE0/LP5_CS0_D)
DDR_CH1_LP4/4X_CKE0_C: R3812.2 U3801.J4(CKE0_A)
DDR_CH1_LP4/4X_CKE0_D: R3814.2 U3801.P4(CKE0_B)
DDR_CH1_LP4/4X_CKE1/LP5_CS1_C: R3813.1 U1000.E11(DDR_CH1_LP4/4X_CKE1/LP5_CS1_C)
DDR_CH1_LP4/4X_CKE1/LP5_CS1_D: R3815.1 U1000.E16(DDR_CH1_LP4/4X_CKE1/LP5_CS1_D)
DDR_CH1_LP4/4X_CKE1_C: R3813.2 U3801.J5(CKE1_A)
DDR_CH1_LP4/4X_CKE1_D: R3815.2 U3801.P5(CKE1_B)
DDR_CH1_LP4/4X_CS0_C: U1000.G11(DDR_CH1_LP4/4X_CS0_C) U3801.H4(CS0_A)
DDR_CH1_LP4/4X_CS0_D: U1000.E19(DDR_CH1_LP4/4X_CS0_D) U3801.R4(CS0_B)
DDR_CH1_LP4/4X_CS1_C: U1000.H11(DDR_CH1_LP4/4X_CS1_C) U3801.H3(CS1_A)
DDR_CH1_LP4/4X_CS1_D: U1000.D19(DDR_CH1_LP4/4X_CS1_D) U3801.R3(CS1_B)
DDR_RESET: C3844.1 C3888.1 U1000.T4(DDR_CH0_RESET_A) U3800.T11(RESET_N) U3801.T11(RESET_N)
DEBUG0_USB_DM: D9101.1 J9100.2(DM) R9104.2
DEBUG0_USB_DP: D9100.1 J9100.3(DP) R9105.2
DEBUG0_USBDM: R9104.1 U9100.16(DM)
DEBUG0_USBDP: R9105.1 U9100.15(DP)
DP1_AUXN: C5100.1 U1000.AM10(TYPEC1_SBU2/DP1_AUXN)
DP1_AUXP: C5101.1 U1000.AL10(TYPEC1_SBU1/DP1_AUXP)
